# Altium PCB higgs.PcbDoc (part 7 of 25) (continued)
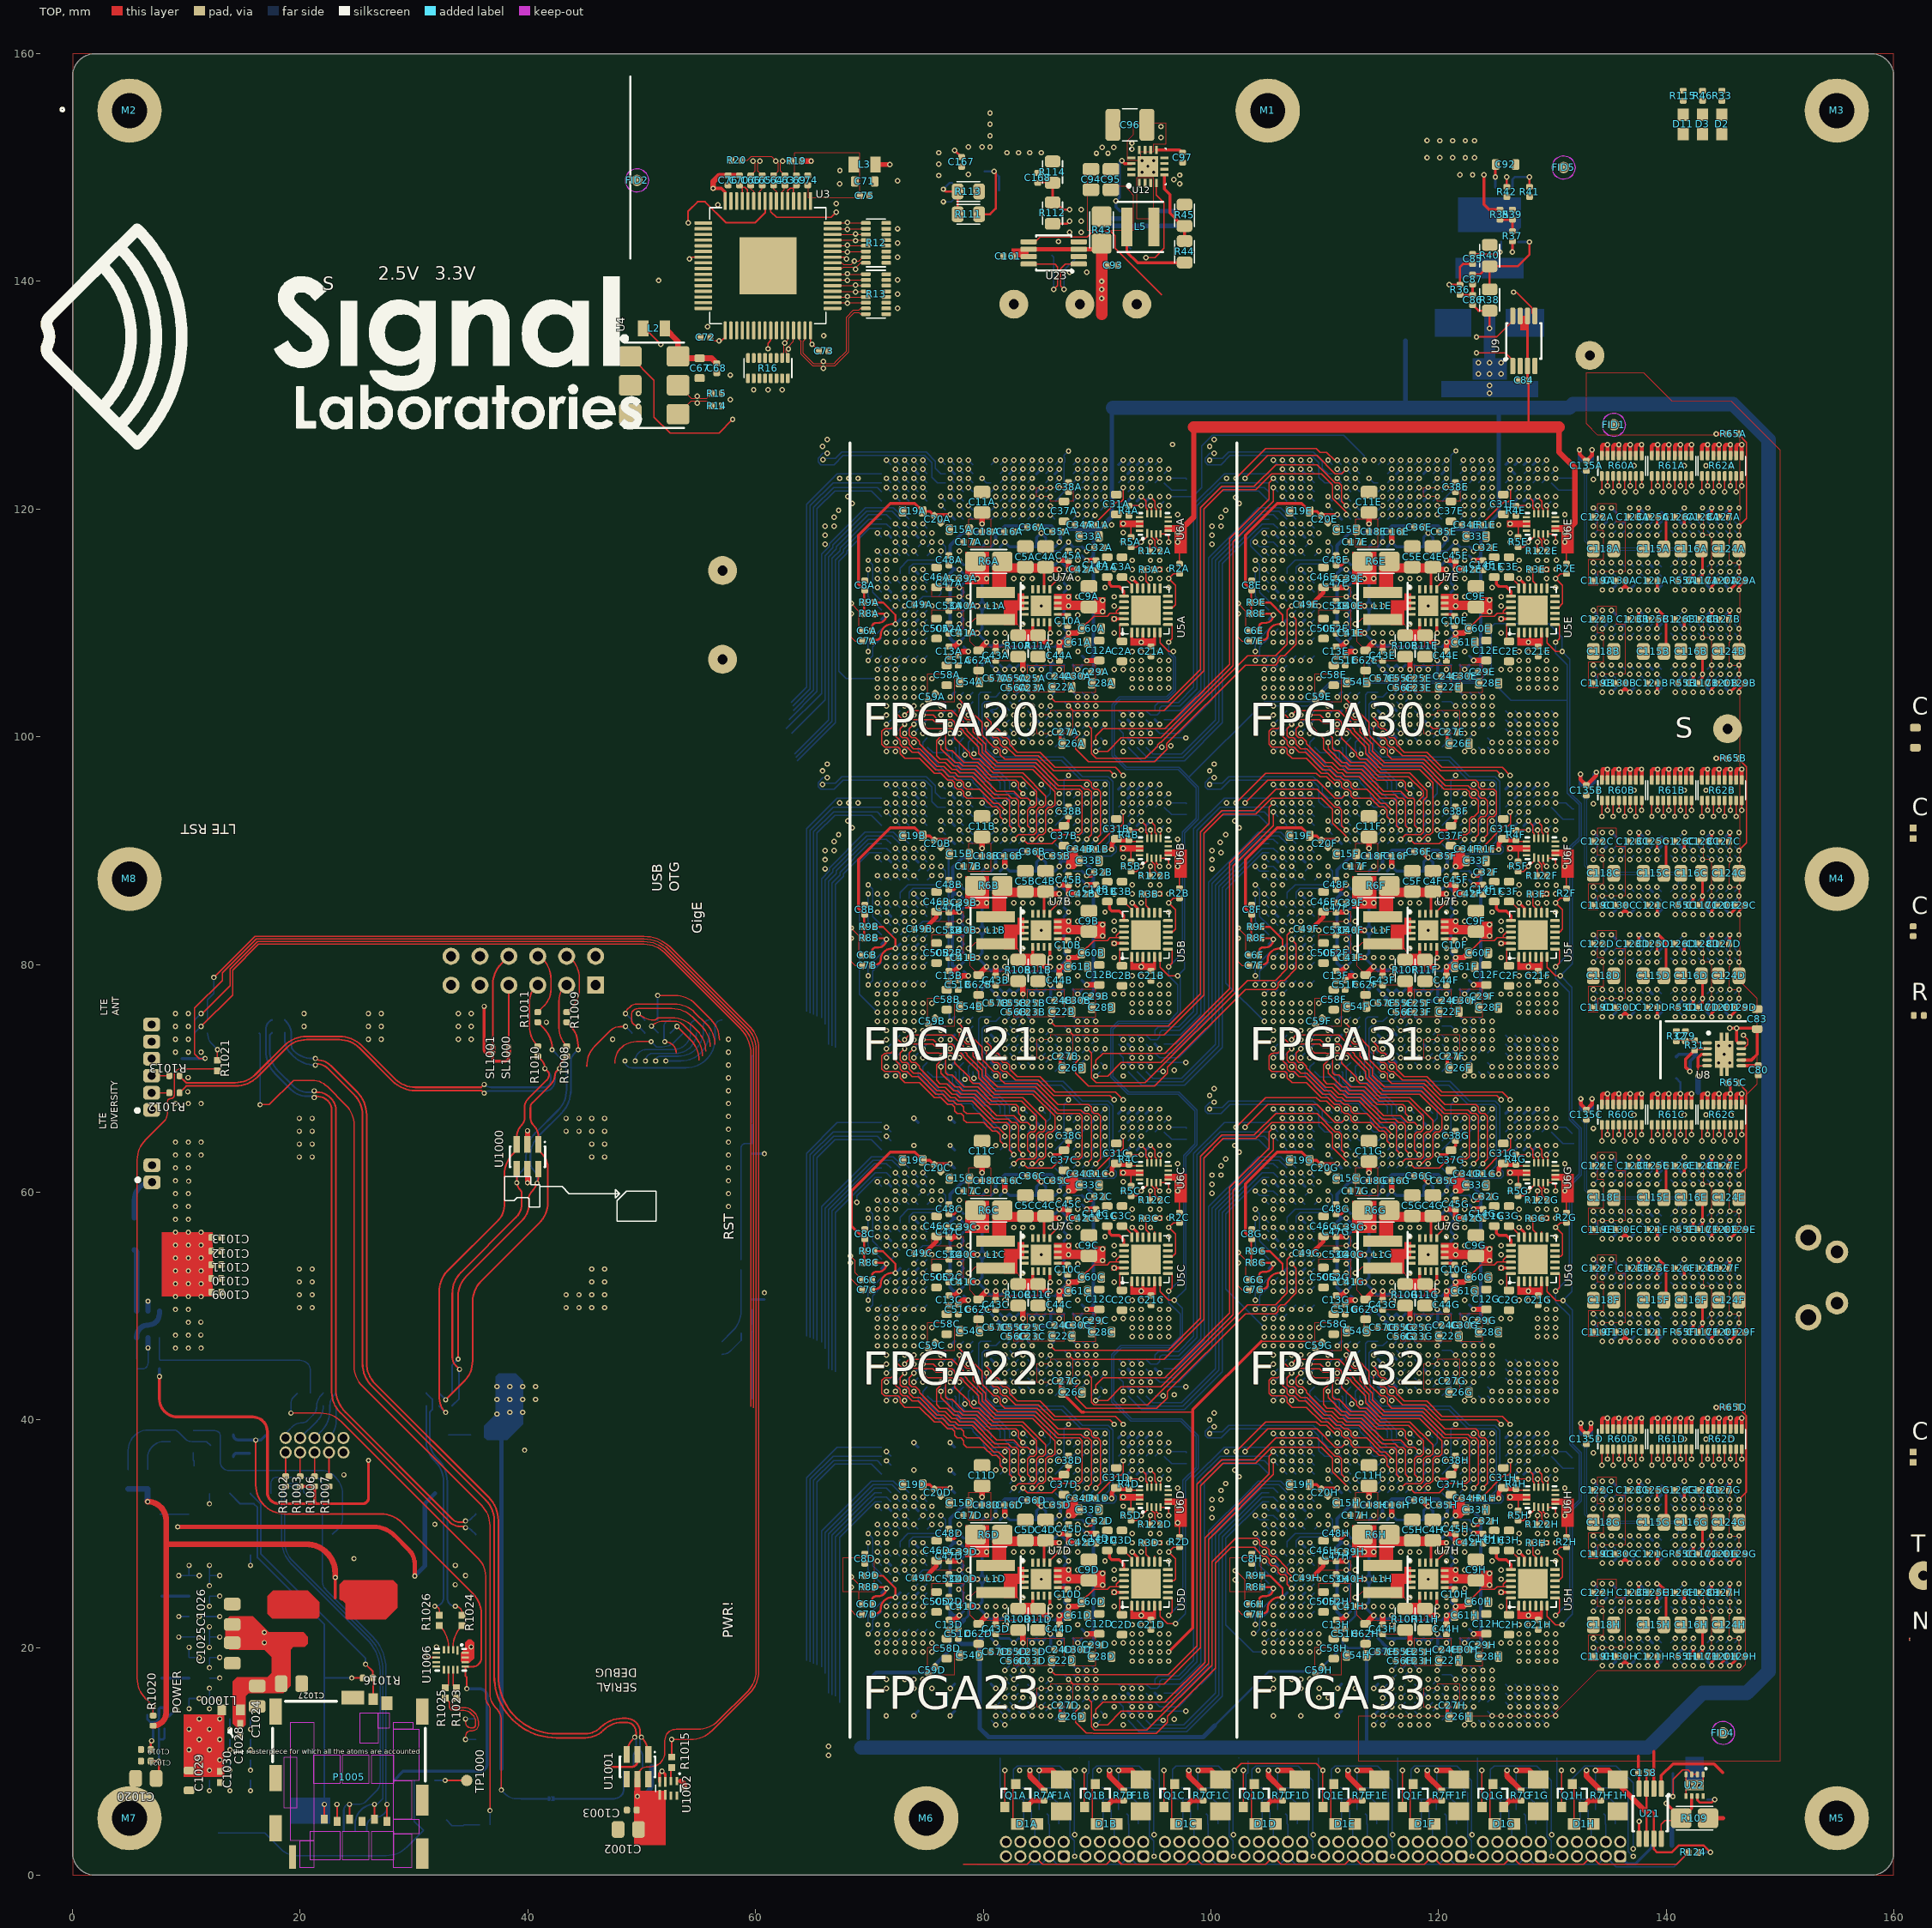
[diagram p0: TOP view]
## Nets (pads, with @x,y where several pads share a name; then routed paths per layer and width w, separated by ;. In a path a pad name is that pad's centre, name@x,y a point inside that pad or via, vN(x,y) a via of type N, cw(c..) or ccw(c..) an arc to the next point about the centre after c; other vN are vias at no path point) (continued)
  S5(V) w0.1: v1(92.3,41.7) 92.27,41.7 91.102,42.868 91.102,49.194 92.322,50.414 92.322,54.241 91.665,54.898 91.338,54.898 91.102,55.135 91.102,59.465 92.135,60.498 94.998,60.498 96.3,61.8 v1(96.3,63.3) ; v1(123.815,9.2) 126.143,6.872 135.832,6.872 138.815,9.855 138.815,9.885
  S6(H) w0.1: v1(92.3,41.7) 93.347,41.7 93.55,41.497 97.391,41.497 103.994,48.1 v1(104.7,48.1)
  BOT w0.1: v1(104.7,48.1) 101.323,51.477 101.323,58.089 104.534,61.3 U1G.A8@105.1,61.3
FPGA_LEDH: Q1H.1 U1H.A8 | length 87.1
  TOP w0.1: Q1H.1@130.8,6.01 v1(130.8,9.2)
  S4(VDDR) w0.1: 67.1,8.8 67.1,21.05 68.754,22.704 71.022,22.704 71.326,22.399 71.695,22.399 72.496,21.598 73.265,21.598 73.502,21.362 73.502,21.035 73.738,20.798 74.065,20.798 74.302,20.562 74.302,20.235 74.535,20.002 76.994,20.002 78.302,18.694 78.302,17.835 78.535,17.602 79.066,17.602 80.669,15.998 81.265,15.998 81.502,15.762 81.502,15.435 81.735,15.202 82.123,15.202 82.302,15.023 82.302,14.635 82.535,14.402 82.862,14.402 83.102,14.162 83.102,13.835 84.516,12.421 97.121,12.421 100.496,15.796 100.496,18.551 102.249,20.304 103.406,20.304 103.9,20.798 106.465,20.798 106.698,20.565 106.698,19.55 106.7,19.55 106.698,19.548 106.698,19.435 106.465,19.202 105.098,19.202 v1(104.7,19.6)
  BOT w0.1: v1(104.7,19.6) 103.723,19.6 101.323,22 101.323,29.589 104.534,32.8 U1H.A8@105.1,32.8
FPGA_PROG_N: R56.1 U15.3
FPGA_TCKA: U1A.AK5 U6A.10 | length 2.3
  TOP w0.1: v1(94.7,121.1) 95.1,120.7 95.1,120.1 95.2,120 U6A.10@95.2,119.575
  BOT w0.254: U1A.AK5@94.3,120.7 v1(94.7,121.1)
FPGA_TCKB: U1B.AK5 U6B.10 | length 2.3
  TOP w0.1: v1(94.7,92.6) 95.1,92.2 95.1,91.6 95.2,91.5 U6B.10@95.2,91.075
  BOT w0.254: U1B.AK5@94.3,92.2 v1(94.7,92.6)
FPGA_TCKC: U1C.AK5 U6C.10 | length 2.3
  TOP w0.1: v1(94.7,64.1) 95.1,63.7 95.1,63.1 95.2,63 U6C.10@95.2,62.575
  BOT w0.254: U1C.AK5@94.3,63.7 v1(94.7,64.1)
FPGA_TCKD: U1D.AK5 U6D.10 | length 2.3
  TOP w0.1: v1(94.7,35.6) 95.1,35.2 95.1,34.6 95.2,34.5 U6D.10@95.2,34.075
  BOT w0.254: U1D.AK5@94.3,35.2 v1(94.7,35.6)
FPGA_TCKE: U1E.AK5 U6E.10 | length 2.3
  TOP w0.1: v1(128.7,121.1) 129.1,120.7 129.1,120.1 129.2,120 U6E.10@129.2,119.575
  BOT w0.254: U1E.AK5@128.3,120.7 v1(128.7,121.1)
FPGA_TCKF: U1F.AK5 U6F.10 | length 2.3
  TOP w0.1: v1(128.7,92.6) 129.1,92.2 129.1,91.6 129.2,91.5 U6F.10@129.2,91.075
  BOT w0.254: U1F.AK5@128.3,92.2 v1(128.7,92.6)
FPGA_TCKG: U1G.AK5 U6G.10 | length 2.3
  TOP w0.1: v1(128.7,64.1) 129.1,63.7 129.1,63.1 129.2,63 U6G.10@129.2,62.575
  BOT w0.254: U1G.AK5@128.3,63.7 v1(128.7,64.1)
FPGA_TCKH: U1H.AK5 U6H.10 | length 2.3
  TOP w0.1: v1(128.7,35.6) 129.1,35.2 129.1,34.6 129.2,34.5 U6H.10@129.2,34.075
  BOT w0.254: U1H.AK5@128.3,35.2 v1(128.7,35.6)
FPGA_TDIA: U1A.AJ5 U6A.12 | length 2.3
  TOP w0.1: v1(93.9,121.1) 94.298,120.702 94.298,120.102 94.4,120 U6A.12@94.4,119.575
  BOT w0.254: U1A.AJ5@93.5,120.7 v1(93.9,121.1)
FPGA_TDIB: U1B.AJ5 U6B.12 | length 2.3
  TOP w0.1: v1(93.9,92.6) 94.298,92.202 94.298,91.602 94.4,91.5 U6B.12@94.4,91.075
  BOT w0.254: U1B.AJ5@93.5,92.2 v1(93.9,92.6)
FPGA_TDIC: U1C.AJ5 U6C.12 | length 2.3
  TOP w0.1: v1(93.9,64.1) 94.298,63.702 94.298,63.102 94.4,63 U6C.12@94.4,62.575
  BOT w0.254: U1C.AJ5@93.5,63.7 v1(93.9,64.1)
FPGA_TDID: U1D.AJ5 U6D.12 | length 2.3
  TOP w0.1: v1(93.9,35.6) 94.298,35.202 94.298,34.602 94.4,34.5 U6D.12@94.4,34.075
  BOT w0.254: U1D.AJ5@93.5,35.2 v1(93.9,35.6)
FPGA_TDIE: U1E.AJ5 U6E.12 | length 2.3
  TOP w0.1: v1(127.9,121.1) 128.298,120.702 128.298,120.102 128.4,120 U6E.12@128.4,119.575
  BOT w0.254: U1E.AJ5@127.5,120.7 v1(127.9,121.1)
FPGA_TDIF: U1F.AJ5 U6F.12 | length 2.3
  TOP w0.1: v1(127.9,92.6) 128.298,92.202 128.298,91.602 128.4,91.5 U6F.12@128.4,91.075
  BOT w0.254: U1F.AJ5@127.5,92.2 v1(127.9,92.6)
FPGA_TDIG: U1G.AJ5 U6G.12 | length 2.3
  TOP w0.1: v1(127.9,64.1) 128.298,63.702 128.298,63.102 128.4,63 U6G.12@128.4,62.575
  BOT w0.254: U1G.AJ5@127.5,63.7 v1(127.9,64.1)
FPGA_TDIH: U1H.AJ5 U6H.12 | length 2.3
  TOP w0.1: v1(127.9,35.6) 128.298,35.202 128.298,34.602 128.4,34.5 U6H.12@128.4,34.075
  BOT w0.254: U1H.AJ5@127.5,35.2 v1(127.9,35.6)
FPGA_TDOA: R4A.1 U1A.AG5 U6A.11 | length 4.8
  TOP w0.1: R4A.1@92.8,120.3 v1(93.9,120.3) ; v1(94.7,120.3) 94.8,120.2 U6A.11@94.8,119.575
  BOT w0.1: U1A.AG5@91.9,120.7 92.3,120.3 v1(93.9,120.3) v1(94.7,120.3)
FPGA_TDOB: R4B.1 U1B.AG5 U6B.11 | length 4.8
  TOP w0.1: R4B.1@92.8,91.8 v1(93.9,91.8) ; v1(94.7,91.8) 94.8,91.7 U6B.11@94.8,91.075
  BOT w0.1: U1B.AG5@91.9,92.2 92.3,91.8 v1(93.9,91.8) v1(94.7,91.8)
FPGA_TDOC: R4C.1 U1C.AG5 U6C.11 | length 4.8
  TOP w0.1: R4C.1@92.8,63.3 v1(93.9,63.3) ; v1(94.7,63.3) 94.8,63.2 U6C.11@94.8,62.575
  BOT w0.1: U1C.AG5@91.9,63.7 92.3,63.3 v1(93.9,63.3) v1(94.7,63.3)
FPGA_TDOD: R4D.1 U1D.AG5 U6D.11 | length 4.8
  TOP w0.1: R4D.1@92.8,34.8 v1(93.9,34.8) ; v1(94.7,34.8) 94.8,34.7 U6D.11@94.8,34.075
  BOT w0.1: U1D.AG5@91.9,35.2 92.3,34.8 v1(93.9,34.8) v1(94.7,34.8)
FPGA_TDOE: R4E.1 U1E.AG5 U6E.11 | length 4.8
  TOP w0.1: R4E.1@126.8,120.3 v1(127.9,120.3) ; v1(128.7,120.3) 128.8,120.2 U6E.11@128.8,119.575
  BOT w0.1: U1E.AG5@125.9,120.7 126.3,120.3 v1(127.9,120.3) v1(128.7,120.3)
FPGA_TDOF: R4F.1 U1F.AG5 U6F.11 | length 4.8
  TOP w0.1: R4F.1@126.8,91.8 v1(127.9,91.8) ; v1(128.7,91.8) 128.8,91.7 U6F.11@128.8,91.075
  BOT w0.1: U1F.AG5@125.9,92.2 126.3,91.8 v1(127.9,91.8) v1(128.7,91.8)
FPGA_TDOG: R4G.1 U1G.AG5 U6G.11 | length 4.8
  TOP w0.1: R4G.1@126.8,63.3 v1(127.9,63.3) ; v1(128.7,63.3) 128.8,63.2 U6G.11@128.8,62.575
  BOT w0.1: U1G.AG5@125.9,63.7 126.3,63.3 v1(127.9,63.3) v1(128.7,63.3)
FPGA_TDOH: R4H.1 U1H.AG5 U6H.11 | length 4.8
  TOP w0.1: R4H.1@126.8,34.8 v1(127.9,34.8) ; v1(128.7,34.8) 128.8,34.7 U6H.11@128.8,34.075
  BOT w0.1: U1H.AG5@125.9,35.2 126.3,34.8 v1(127.9,34.8) v1(128.7,34.8)
FPGA_TMSA: U1A.AM5 U6A.9 | length 1.3
  TOP w0.1: v1(95.5,120.3) 95.6,120.2 U6A.9@95.6,119.575
  BOT w0.1: v1(95.5,120.3) U1A.AM5@95.9,120.7
FPGA_TMSB: U1B.AM5 U6B.9 | length 1.3
  TOP w0.1: v1(95.5,91.8) 95.6,91.7 U6B.9@95.6,91.075
  BOT w0.1: v1(95.5,91.8) U1B.AM5@95.9,92.2
FPGA_TMSC: U1C.AM5 U6C.9 | length 1.3
  TOP w0.1: v1(95.5,63.3) 95.6,63.2 U6C.9@95.6,62.575
  BOT w0.1: v1(95.5,63.3) U1C.AM5@95.9,63.7
FPGA_TMSD: U1D.AM5 U6D.9 | length 1.3
  TOP w0.1: v1(95.5,34.8) 95.6,34.7 U6D.9@95.6,34.075
  BOT w0.1: v1(95.5,34.8) U1D.AM5@95.9,35.2
FPGA_TMSE: U1E.AM5 U6E.9 | length 1.3
  TOP w0.1: v1(129.5,120.3) 129.6,120.2 U6E.9@129.6,119.575
  BOT w0.1: v1(129.5,120.3) U1E.AM5@129.9,120.7
FPGA_TMSF: U1F.AM5 U6F.9 | length 1.3
  TOP w0.1: v1(129.5,91.8) 129.6,91.7 U6F.9@129.6,91.075
  BOT w0.1: v1(129.5,91.8) U1F.AM5@129.9,92.2
FPGA_TMSG: U1G.AM5 U6G.9 | length 1.3
  TOP w0.1: v1(129.5,63.3) 129.6,63.2 U6G.9@129.6,62.575
  BOT w0.1: v1(129.5,63.3) U1G.AM5@129.9,63.7
FPGA_TMSH: U1H.AM5 U6H.9 | length 1.3
  TOP w0.1: v1(129.5,34.8) 129.6,34.7 U6H.9@129.6,34.075
  BOT w0.1: v1(129.5,34.8) U1H.AM5@129.9,35.2
FPGAB_TCKA: R29A.1 U6A.3 | length 158.7
  TOP w0.1: U6A.3@95.2,117.825 95.2,117.43 v1@95.5,117.13
  S5(V) w0.1: 65.203,14.664 65.203,22.52 66.522,23.839 68.035,23.839 68.72,24.524 68.721,24.524 69.184,24.986 69.184,26.514 68.721,26.976 68.646,26.976 67.986,27.636 66.647,27.636 64.586,29.697 64.586,51.003 65.672,52.089 68.497,52.089 69.736,53.328 69.736,54.722 68.597,55.861 65.797,55.861 65.136,56.522 65.136,77.628 69.898,82.39 69.898,83.686 69.073,84.511 68.372,84.511 65.236,87.647 65.236,97.578 65.953,98.295 65.953,106.969 69.478,110.494 69.478,114.178 69.602,114.302 70.065,114.302 70.298,114.535 70.298,114.862 70.537,115.1 93.53,115.1 95.5,117.07 v1(95.5,117.1)
  BOT w0.095: R29A.1@82.56,7.7 82.66,7.8 82.66,9.27 82.986,9.596 86.709,9.596 87.99,8.315 v4@87.99,3.7
  other v4: 88.033,3.555
FPGAB_TCKB: R29B.1 U6B.3 | length 118.3
  TOP w0.1: U6B.3@95.2,89.325 95.2,88.93 v1@95.5,88.63
  S5(V) w0.1: 66.003,14.395 66.003,22.12 66.94,23.057 68.321,23.057 69.033,23.768 69.034,23.768 69.968,24.702 69.968,26.798 69.034,27.732 68.959,27.732 68.287,28.404 67.229,28.404 65.364,30.269 65.364,36.731 67.561,38.928 67.561,41.072 65.611,43.022 65.611,50.778 66.122,51.289 68.847,51.289 70.511,52.953 70.511,55.086 71.125,55.7 78.041,55.7 78.279,55.938 78.279,56.789 78.639,57.149 78.651,57.149 80.363,58.861 84.413,58.861 86.788,61.236 89.861,61.236 91.2,62.575 94.752,62.575 95.102,62.925 95.102,88.202 v1(95.5,88.6)
  BOT w0.095: R29B.1@89.545,7.7 89.645,7.8 89.645,9.27 89.971,9.596 93.694,9.596 94.975,8.315 v4@94.975,3.7
  other v4: 95.018,3.555
FPGAB_TCKC: R29C.1 U6C.3 | length 86.4
  TOP w0.1: U6C.3@95.2,60.825 95.2,60.43 v1@95.5,60.13
  S5(V) w0.1: 64.775,11.325 64.775,11.825 65.575,12.625 66.291,12.625 66.767,13.102 66.767,20.435 69.346,23.013 69.347,23.013 70.724,24.389 70.724,26.949 71.102,27.327 71.102,30.965 71.335,31.198 78.065,31.198 78.088,31.175 86.512,31.175 86.535,31.198 90.535,31.198 92.135,32.798 92.462,32.798 92.698,33.035 92.698,33.347 93.502,34.15 93.502,57.065 93.687,57.25 93.687,58.257 94.487,59.057 94.487,59.087 95.1,59.7 ; 95.102,59.702 v1(95.5,60.1)
  BOT w0.095: R29C.1@96.53,7.7 96.63,7.8 96.63,9.27 96.956,9.596 100.679,9.596 101.96,8.315 v4@101.96,3.7
  other v4: 102.003,3.555
FPGAB_TCKD: R29D.1 U6D.3 | length 61.3
  TOP w0.1: U6D.3@95.2,32.325 95.2,31.93 v1@95.5,31.63
  S4(VDDR) w0.1: 64.65,8.675 66.023,10.048 66.023,10.923 v1(66.425,11.325)
  S5(V) w0.1: v1(66.425,11.325) 66.425,11.675 67.528,12.778 67.528,19.928 69.202,21.602 73.265,21.602 74.298,22.635 74.298,23.456 74.304,23.461 74.304,23.816 74.298,23.822 74.298,25.056 74.304,25.061 74.304,25.391 74.298,25.397 74.298,27.762 74.535,27.998 91.335,27.998 92.935,29.598 93.498,29.598 v1(95.5,31.6)
  BOT w0.095: R29D.1@103.515,7.7 103.615,7.8 103.615,9.27 103.941,9.596 107.664,9.596 108.945,8.315 v4@108.945,3.7
  other v4: 108.988,3.555
FPGAB_TCKE: R29E.1 U6E.3 | length 167.4
  TOP w0.1: U6E.3@129.2,117.825 129.2,117.43 v1@129.5,117.13
  S5(V) w0.1: 94.3,9.708 98.599,14.007 98.599,21.607 102.163,25.171 102.488,25.171 102.935,25.617 102.935,27.092 101.416,28.61 99.567,28.61 97.884,30.293 ; 97.884,30.323 97.884,41.198 98.66,41.975 98.66,44.225 97.735,45.15 97.735,50.525 99.725,52.515 102.274,52.515 103.653,53.894 103.653,55.032 102.757,55.928 101.108,55.928 98.703,58.333 98.703,66.433 98.435,66.7 98.435,69.501 98.878,69.943 98.878,72.222 98.511,72.589 98.511,77.14 103.711,82.34 103.711,83.439 102.239,84.911 101.022,84.911 99.311,86.622 99.311,93.778 101.611,96.078 101.611,98.474 99.711,100.375 99.711,106.878 104.735,111.902 106.465,111.902 106.698,112.135 106.698,112.531 106.868,112.701 107.264,112.701 107.497,112.934 107.497,113.261 107.738,113.502 108.065,113.502 108.298,113.735 108.298,114.062 108.538,114.302 108.8,114.302 108.803,114.298 128.498,114.298 129.1,114.9 129.1,116.7 v1(129.5,117.1)
  BOT w0.095: R29E.1@110.5,7.7 110.6,7.8 110.6,9.27 110.926,9.596 114.649,9.596 115.93,8.315 v4@115.93,3.7
  other v4: 115.973,3.555
FPGAB_TCKF: R29F.1 U6F.3 | length 125.1
  TOP w0.1: U6F.3@129.2,89.325 129.2,88.93 v1@129.5,88.63
  S5(V) w0.1: 98.651,30.65 98.654,30.647 ; 99.369,13.688 99.369,21.288 102.482,24.4 102.808,24.4 103.706,25.298 103.706,27.411 101.736,29.381 100.325,29.381 100.32,29.386 99.89,29.386 98.654,30.622 98.654,30.647 ; v1(129.5,88.6) 128.3,87.4 111.263,87.4 108.862,84.998 108.535,84.998 108.298,84.762 108.298,84.435 108.062,84.198 107.735,84.198 107.498,83.962 107.498,83.635 107.262,83.398 106.935,83.398 106.698,83.162 106.698,82.835 106.465,82.602 105.15,82.602 99.282,76.734 99.282,72.908 99.648,72.542 99.648,69.624 99.206,69.182 99.206,67.02 99.473,66.752 99.473,58.652 101.427,56.698 103.076,56.698 104.423,55.351 104.423,53.574 102.593,51.744 100.045,51.744 98.506,50.205 98.506,45.47 99.431,44.545 99.431,41.655 98.654,40.879 98.654,30.65 98.654,30.647
  BOT w0.095: R29F.1@117.485,7.7 117.585,7.8 117.585,9.27 117.911,9.596 121.634,9.596 122.915,8.315 v4@122.915,3.7
  other v4: 122.958,3.555
FPGAB_TCKG: R29G.1 U6G.3 | length 94
  TOP w0.1: U6G.3@129.2,60.825 129.2,60.43 v1@129.5,60.13
  S5(V) w0.1: 100.14,13.369 100.14,20.968 102.801,23.63 103.13,23.63 104.474,24.974 104.474,26.174 104.475,26.175 ; 104.47,26.15 104.47,26.995 104.677,27.202 104.865,27.202 105.098,27.435 105.098,27.765 104.865,27.998 104.244,27.998 102.087,30.156 100.25,30.156 99.456,30.95 99.456,36.556 101.481,38.581 101.481,43.894 99.556,45.819 99.556,49.781 100.544,50.769 102.694,50.769 105.125,53.2 105.563,53.2 106.698,54.335 106.698,58.65 106.95,58.902 128.302,58.902 v1(129.5,60.1)
  BOT w0.095: R29G.1@124.47,7.7 124.57,7.8 124.57,9.27 124.896,9.596 128.619,9.596 129.9,8.315 v4@129.9,3.7
  other v4: 129.943,3.555
FPGAB_TCKH: R29H.1 U6H.3 | length 55.5
  TOP w0.1: U6H.3@129.2,32.325 129.2,31.93 v1@129.5,31.63
  S5(V) w0.1: 100.947,13.034 100.947,20.634 103.137,22.824 103.406,22.824 103.571,22.988 103.705,22.988 105.017,24.3 105.625,24.3 106.69,25.365 106.702,25.365 106.935,25.598 107.468,25.598 108.268,26.398 112.538,26.398 113.335,25.602 123.038,25.602 124.335,26.898 124.562,26.898 126.702,29.038 126.702,29.365 126.935,29.598 127.468,29.598 129.47,31.6 v1(129.5,31.6)
  BOT w0.095: R29H.1@131.455,7.7 131.555,7.8 131.555,8.31 132.841,9.596 135.604,9.596 137.1,8.1 v1(137.1,2.3)
FPGAB_TMSA: R30A.1 U6A.4 | length 153.4
  TOP w0.1: U6A.4@95.6,117.825 96.075,117.825 96.3,117.6 v1(96.3,117.1)
  S5(V) w0.1: 65.392,14.585 65.392,22.442 66.6,23.65 68.113,23.65 68.798,24.335 68.8,24.335 69.373,24.908 69.373,26.592 68.8,27.165 68.724,27.165 68.064,27.825 66.725,27.825 64.775,29.775 64.775,50.925 65.75,51.9 68.575,51.9 69.925,53.25 69.925,54.8 68.675,56.05 65.875,56.05 65.375,56.55 65.375,77.6 70.087,82.312 70.087,83.764 69.151,84.7 68.45,84.7 65.425,87.725 65.425,97.5 66.142,98.217 66.142,106.89 70.302,111.05 70.302,114.065 70.538,114.302 94.065,114.302 95.098,115.335 95.098,115.898 v1(96.3,117.1)
  BOT w0.095: R30A.1@87.2,7.65 87.637,7.213 87.637,3.391 87.99,3.038 v1@87.99,1.8
  other v1: 88.033,1.65
FPGAB_TMSB: R30B.1 U6B.4 | length 113.6
  TOP w0.1: U6B.4@95.6,89.325 96.075,89.325 96.3,89.1 v1(96.3,88.6)
  S5(V) w0.1: 66.192,14.317 66.192,22.042 67.018,22.868 68.399,22.868 69.111,23.579 69.113,23.579 70.157,24.624 70.157,26.876 69.113,27.921 69.037,27.921 68.365,28.593 67.307,28.593 65.553,30.347 65.553,36.653 67.75,38.85 67.75,41.15 65.8,43.1 65.8,50.7 66.2,51.1 68.925,51.1 70.7,52.875 70.7,54.4 71.2,54.9 72.133,54.9 72.135,54.898 77.915,54.898 ; 77.942,54.901 78.065,54.901 78.302,55.138 78.302,55.465 78.525,55.688 78.525,56.725 80.45,58.65 84.5,58.65 86.875,61.025 89.917,61.025 91.242,62.35 95.475,62.35 95.9,62.775 95.9,70.137 96.198,70.435 96.198,70.765 95.902,71.062 95.902,88.202 v1(96.3,88.6)
  BOT w0.095: R30B.1@94.185,7.65 94.622,7.213 94.622,3.391 94.975,3.038 v1@94.975,1.8
  other v1: 95.018,1.65
FPGAB_TMSC: R30C.1 U6C.4 | length 81.7
  TOP w0.1: U6C.4@95.6,60.825 96.075,60.825 96.3,60.6 v1(96.3,60.1)
  S5(V) w0.1: 64.8,10.55 65.198,10.948 65.198,11.798 65.825,12.425 66.358,12.425 66.956,13.023 66.956,20.356 69.424,22.824 69.426,22.824 70.913,24.311 70.913,26.776 71.335,27.198 71.662,27.198 71.898,27.435 71.898,30.162 72.135,30.398 90.535,30.398 92.135,31.998 92.462,31.998 94.298,33.835 94.298,38.965 94.298,57.673 94.727,58.102 94.865,58.102 95.102,58.338 95.102,58.665 95.335,58.898 95.523,58.898 96.325,59.7 v1@96.325,60.075 ; v1@96.3,60.075 v1(96.3,60.1)
  BOT w0.095: R30C.1@101.17,7.65 101.607,7.213 101.607,3.391 101.96,3.038 v1@101.96,1.8
  other v1: 102.003,1.65
FPGAB_TMSD: R30D.1 U6D.4 | length 55.2
  TOP w0.1: U6D.4@95.6,32.325 96.075,32.325 96.3,32.1 v1(96.3,31.6)
  S4(VDDR) w0.1: 65.9,9.475 66.425,10 v1(66.425,10.525)
  S5(V) w0.1: v1(66.425,10.525) 66.975,11.075 66.975,11.45 ; 66.975,11.475 66.975,11.95 67.717,12.692 67.717,18.867 69.652,20.802 74.865,20.802 75.098,21.035 75.098,23.431 75.104,23.436 75.104,23.766 75.098,23.772 75.098,25.031 75.104,25.036 75.104,25.366 75.098,25.372 75.098,26.798 75.5,27.2 91.337,27.2 92.935,28.798 94.062,28.798 95.098,29.835 95.098,30.398 v1(96.3,31.6)
  BOT w0.095: R30D.1@108.155,7.65 108.592,7.213 108.592,3.391 108.945,3.038 v1@108.945,1.8
  other v1: 108.988,1.65
FPGAB_TMSE: R30E.1 U6E.4 | length 163.2
  TOP w0.1: U6E.4@129.6,117.825 130.075,117.825 130.3,117.6 v1(130.3,117.1)
  S5(V) w0.1: 94.382,9.523 98.788,13.929 98.788,21.528 102.241,24.982 102.567,24.982 103.124,25.539 103.124,27.17 101.495,28.799 99.662,28.799 98.084,30.377 98.084,30.388 98.073,30.4 ; 98.073,30.401 98.073,41.12 98.849,41.896 98.849,44.304 97.924,45.229 97.924,50.446 99.804,52.326 102.352,52.326 103.842,53.815 103.842,55.11 102.835,56.117 101.186,56.117 98.892,58.411 98.892,66.511 98.624,66.779 98.624,69.423 99.067,69.865 99.067,72.301 98.7,72.667 98.7,77.062 103.9,82.262 103.9,83.517 102.317,85.1 101.1,85.1 99.5,86.7 99.5,93.7 101.8,96 101.8,98.552 99.9,100.453 99.9,106.8 104.2,111.1 106.463,111.1 106.702,111.338 106.702,111.665 106.935,111.898 107.262,111.898 107.502,112.138 107.502,112.465 107.735,112.698 108.062,112.698 108.302,112.938 108.302,113.265 108.535,113.498 129.662,113.498 129.898,113.735 129.898,116.698 v1(130.3,117.1)
  BOT w0.095: R30E.1@115.14,7.65 115.577,7.213 115.577,3.391 115.93,3.038 v1@115.93,1.8
  other v1: 115.973,1.65
FPGAB_TMSF: R30F.1 U6F.4 | length 119.9
  TOP w0.1: U6F.4@129.6,89.325 130.075,89.325 130.3,89.1 v1(130.3,88.6)
  S5(V) w0.1: 98.843,30.7 99.968,29.575 101.816,29.575 103.9,27.491 103.9,25.218 102.89,24.208 102.561,24.208 99.561,21.208 99.561,13.608 ; 98.843,30.72 98.843,40.793 99.318,41.268 99.625,41.575 99.625,44.625 98.7,45.55 98.7,50.125 100.125,51.55 102.674,51.55 104.617,53.494 104.617,55.431 103.156,56.892 101.508,56.892 99.675,58.725 99.675,66.825 99.4,67.1 99.4,69.101 99.842,69.544 99.842,72.622 99.842,76.942 104.7,81.8 106.4,81.8 106.702,82.102 106.702,82.365 106.935,82.598 107.262,82.598 108.298,83.635 108.298,83.698 108.802,84.202 108.865,84.202 109.098,84.435 109.098,84.762 110.135,85.798 110.935,85.798 111.735,86.598 128.862,86.598 129.098,86.835 129.098,87.398 v1(130.3,88.6)
  BOT w0.095: R30F.1@122.125,7.65 122.562,7.213 122.562,3.391 122.915,3.038 v1@122.915,1.8
  other v1: 122.958,1.65
FPGAB_TMSG: R30G.1 U6G.4 | length 90
  TOP w0.1: U6G.4@129.6,60.825 130.075,60.825 130.3,60.6 v1(130.3,60.1)
  S5(V) w0.1: 100.352,13.281 100.352,20.881 102.889,23.418 103.199,23.418 103.336,23.555 103.355,23.555 104.675,24.875 104.675,24.945 104.675,25.455 104.675,26.175 104.675,26.538 105.338,27.202 105.665,27.202 105.898,27.435 105.898,27.765 105.665,27.998 105.338,27.998 105.098,28.238 105.098,28.565 104.865,28.798 103.711,28.798 102.16,30.35 100.325,30.35 99.65,31.025 99.65,36.475 101.675,38.5 101.675,43.975 99.75,45.9 99.75,49.7 100.625,50.575 102.775,50.575 105.1,52.9 105.737,52.9 106.935,54.098 107.273,54.098 107.5,54.325 107.5,57.9 107.7,58.1 128.863,58.1 129.098,58.335 129.098,58.898 v1(130.3,60.1)
  BOT w0.095: R30G.1@129.11,7.65 129.547,7.213 129.547,3.391 129.9,3.038 v1@129.9,1.8
  other v1: 129.943,1.65
FPGAB_TMSH: R30H.1 U6H.4 | length 50.7
  TOP w0.1: U6H.4@129.6,32.325 130.075,32.325 130.3,32.1 v1(130.3,31.6)
  S5(V) w0.1: 101.15,12.95 101.15,20.55 103.235,22.635 103.485,22.635 103.649,22.799 103.98,22.799 105.179,23.998 106.462,23.998 106.702,24.238 106.702,24.565 106.935,24.798 107.262,24.798 107.502,25.038 107.502,25.365 107.736,25.6 109.93,25.6 110.803,24.727 112.463,24.727 112.535,24.798 112.865,24.798 112.913,24.75 117.287,24.75 117.335,24.798 117.665,24.798 117.713,24.75 120.487,24.75 120.535,24.798 120.865,24.798 120.913,24.75 123.187,24.75 124.335,25.898 124.462,25.898 125.102,26.538 125.102,26.965 126.935,28.798 127.262,28.798 128.302,29.838 128.302,30.165 128.535,30.398 129.098,30.398 v1(130.3,31.6)
  BOT w0.095: R30H.1@136.095,7.65 136.663,7.082 136.663,2.087 v1(137.1,1.65)
FPGAI_TCKA: J5A.6 R124A.1 U27A.3 | length 2.9
  BOT w0.1: U27A.3@84.255,5.75 84.255,4.695 R124A.1@84.45,4.5 84.54,4.41 J5A.6@84.54,2.92
FPGAI_TCKB: J5B.6 R124B.1 U27B.3 | length 2.9
  BOT w0.1: U27B.3@91.24,5.75 91.24,4.695 R124B.1@91.435,4.5 91.525,4.41 J5B.6@91.525,2.92
FPGAI_TCKC: J5C.6 R124C.1 U27C.3 | length 2.9
  BOT w0.1: U27C.3@98.225,5.75 98.225,4.695 R124C.1@98.42,4.5 98.51,4.41 J5C.6@98.51,2.92
FPGAI_TCKD: J5D.6 R124D.1 U27D.3 | length 2.9
  BOT w0.1: U27D.3@105.21,5.75 105.21,4.695 R124D.1@105.405,4.5 105.495,4.41 J5D.6@105.495,2.92
FPGAI_TCKE: J5E.6 R124E.1 U27E.3 | length 2.9
  BOT w0.1: U27E.3@112.195,5.75 112.195,4.695 R124E.1@112.39,4.5 112.48,4.41 J5E.6@112.48,2.92
FPGAI_TCKF: J5F.6 R124F.1 U27F.3 | length 2.9
  BOT w0.1: U27F.3@119.18,5.75 119.18,4.695 R124F.1@119.375,4.5 119.465,4.41 J5F.6@119.465,2.92
FPGAI_TCKG: J5G.6 R124G.1 U27G.3 | length 2.9
  BOT w0.1: U27G.3@126.165,5.75 126.165,4.695 R124G.1@126.36,4.5 126.45,4.41 J5G.6@126.45,2.92
FPGAI_TCKH: J5H.6 R124H.1 U27H.3 | length 2.9
  BOT w0.1: U27H.3@133.15,5.75 133.15,4.695 R124H.1@133.345,4.5 133.435,4.41 J5H.6@133.435,2.92
FPGAI_TDIA: J5A.10 R5A.1 U6A.1 | length 147.2
  TOP w0.1: R5A.1@93,116.655 93.455,116.655 v1(93.9,117.1) ; v1@93.955,117.1 v1(93.9,117.1) ; U6A.1@94.4,117.875 94.4,117.6 v1(93.9,117.1)
  S5(V) w0.1: 64.825,14.82 64.825,22.676 66.365,24.217 67.878,24.217 68.563,24.902 68.565,24.902 68.806,25.143 68.806,26.357 68.565,26.598 68.49,26.598 67.83,27.258 66.49,27.258 64.208,29.54 64.208,51.16 65.515,52.467 68.34,52.467 69.358,53.485 69.358,54.565 68.44,55.483 65.64,55.483 64.758,56.365 64.758,77.785 69.52,82.547 69.52,83.53 68.917,84.133 68.215,84.133 64.858,87.49 64.858,97.735 65.575,98.451 65.575,107.125 69.1,110.65 69.1,115.875 69.925,116.7 93.5,116.7 v1(93.9,117.1)
FPGAI_TDIB: J5B.10 R5B.1 U6B.1 | length 106.3
  TOP w0.1: R5B.1@93,88.155 93.455,88.155 v1(93.9,88.6) ; v1@93.955,88.6 v1(93.9,88.6) ; U6B.1@94.4,89.375 94.4,89.1 v1(93.9,88.6)
  S5(V) w0.1: 65.614,14.54 65.614,22.281 66.779,23.446 68.176,23.446 68.876,24.146 68.878,24.146 69.579,24.848 69.579,26.652 68.878,27.354 68.803,27.354 68.142,28.015 67.068,28.015 64.975,30.108 64.975,36.892 67.172,39.089 67.172,40.911 65.222,42.861 65.222,50.939 65.961,51.678 68.686,51.678 70.122,53.114 70.122,54.953 69.875,55.2 69.875,56.8 70.375,57.3 78.233,57.3 80.192,59.26 80.308,59.26 80.317,59.25 84.251,59.25 86.626,61.625 89.716,61.625 91.166,63.075 92.657,63.075 93.502,63.92 93.502,88.202 v1(93.9,88.6)
FPGAI_TDIC: J5C.10 R5C.1 U6C.1 | length 77
  TOP w0.1: R5C.1@93,59.655 93.455,59.655 v1(93.9,60.1) ; v1@93.955,60.1 v1(93.9,60.1) ; U6C.1@94.4,60.875 94.4,60.6 v1(93.9,60.1)
  S5(V) w0.1: 65.228,13.003 66.134,13.003 66.39,13.258 66.39,20.591 69.189,23.391 69.191,23.391 70.346,24.546 70.346,26.954 69.191,28.11 68.625,28.675 68.625,31.5 69.925,32.8 90.15,32.8 91.9,34.55 91.9,38.963 92.135,39.198 92.668,39.198 93.124,39.654 93.124,41.646 92.668,42.102 92.135,42.102 91.902,42.335 91.902,42.648 91.9,42.65 91.9,49.725 92.511,50.336 92.511,54.75 91.9,55.361 91.9,58.1 93.5,59.7 ; 93.502,59.702 v1(93.9,60.1)
FPGAI_TDID: J5D.10 R5D.1 U6D.1 | length 47.3
  TOP w0.1: R5D.1@93,31.155 93.455,31.155 v1(93.9,31.6) ; v1@93.955,31.6 v1(93.9,31.6) ; U6D.1@94.4,32.375 94.4,32.1 v1(93.9,31.6)
  S4(VDDR) w0.1: 65.15,10.2 65.227,10.277 65.227,10.69 65.625,11.088 65.625,11.325
  S5(V) w0.1: 65.625,11.325 65.625,11.736 66.089,12.2 66.4,12.2 67.15,12.95 67.15,20.283 69.502,22.635 69.504,22.635 71.102,24.233 71.102,25.95 71.553,26.402 72.465,26.402 72.698,26.635 72.698,29.398 72.902,29.602 91.665,29.602 93.663,31.6 v1(93.9,31.6)
FPGAI_TDIE: J5E.10 R5E.1 U6E.1 | length 148.4
  TOP w0.1: R5E.1@127,116.655 127.455,116.655 v1(127.9,117.1) ; v1@127.955,117.1 v1(127.9,117.1) ; U6E.1@128.4,117.875 128.4,117.6 v1(127.9,117.1)
  S5(V) w0.1: 97.695,30.215 99.488,28.421 101.338,28.421 102.746,27.013 102.746,25.695 102.41,25.359 102.085,25.359 98.41,21.685 98.41,14.085 ; 97.695,30.244 97.695,41.276 98.471,42.053 98.471,44.147 97.546,45.072 97.546,50.603 99.647,52.704 102.196,52.704 103.464,53.972 103.464,54.953 102.678,55.739 101.03,55.739 98.514,58.255 98.514,66.355 98.246,66.622 98.246,69.579 98.689,70.022 98.689,72.144 98.322,72.511 98.322,77.219 103.522,82.419 103.522,83.361 102.161,84.722 100.944,84.722 99.122,86.544 99.122,93.857 101.422,96.156 101.422,98.396 99.522,100.296 99.522,106.956 105.264,112.698 106.135,112.698 106.934,113.497 107.297,113.497 107.5,113.7 107.502,113.702 107.502,114.065 107.735,114.298 108.062,114.298 108.302,114.538 108.302,114.865 108.538,115.102 127.265,115.102 127.498,115.335 127.498,116.698 v1(127.9,117.1)
FPGAI_TDIF: J5F.10 R5F.1 U6F.1 | length 113.4
  TOP w0.1: R5F.1@127,88.155 127.455,88.155 v1(127.9,88.6) ; v1@127.955,88.6 v1(127.9,88.6) ; U6F.1@128.4,89.375 128.4,89.1 v1(127.9,88.6)
  S5(V) w0.1: 98.273,30.475 98.273,30.455 99.728,29 100.325,29 101.578,29 103.325,27.253 103.325,25.456 102.65,24.781 102.324,24.781 98.988,21.445 98.988,13.845 ; 98.273,30.484 98.273,41.037 99.05,41.813 99.05,44.387 98.125,45.312 98.125,50.363 99.887,52.125 102.435,52.125 104.042,53.732 104.042,55.193 102.918,56.317 101.269,56.317 99.092,58.495 99.092,66.594 98.825,66.862 98.825,69.34 99.267,69.782 99.267,72.384 98.901,72.75 98.901,76.892 105.411,83.402 105.665,83.402 105.902,83.638 105.902,83.965 106.934,84.997 107.261,84.997 107.498,85.235 107.498,85.562 107.735,85.798 108.062,85.798 108.298,86.035 108.298,86.362 108.535,86.598 108.862,86.598 109.898,87.635 109.898,87.962 110.135,88.198 110.462,88.198 111.263,89 127.5,89 v1(127.9,88.6)
FPGAI_TDIG: J5G.10 R5G.1 U6G.1 | length 82.4
  TOP w0.1: R5G.1@127,59.655 127.455,59.655 v1(127.9,60.1) ; v1@127.955,60.1 v1(127.9,60.1) ; U6G.1@128.4,60.875 128.4,60.6 v1(127.9,60.1)
  S5(V) w0.1: 99.075,30.775 99.078,30.772 100.072,29.778 101.91,29.778 104.092,27.596 104.092,27.566 ; 99.078,30.788 99.078,36.712 101.103,38.737 101.103,43.738 99.178,45.663 99.178,49.937 100.388,51.147 102.538,51.147 104.827,53.436 104.827,55.489 104.806,55.509 104.806,55.581 105.102,55.877 105.102,60.252 105.35,60.5 109.337,60.5 109.338,60.498 127.502,60.498 v1(127.9,60.1) ; 99.756,13.527 99.756,21.127 102.642,24.013 102.971,24.013 104.092,25.134 104.092,27.543
FPGAI_TDIH: J5H.10 R5H.1 U6H.1 | length 43.1
  TOP w0.1: R5H.1@127,31.155 127.455,31.155 v1(127.9,31.6) ; v1@127.955,31.6 v1(127.9,31.6) ; U6H.1@128.4,32.375 128.4,32.1 v1(127.9,31.6)
  S5(V) w0.1: 100.569,13.191 100.569,20.79 102.981,23.202 103.25,23.202 103.414,23.366 103.549,23.366 105.1,24.917 105.1,25.033 105.102,25.035 105.102,25.627 105.45,25.975 105.45,25.98 105.902,26.432 105.902,26.965 106.135,27.198 107.262,27.198 107.502,27.438 107.502,27.765 107.735,27.998 112.43,27.998 113.227,27.202 122.802,27.202 126.802,31.202 127.265,31.202 127.663,31.6 v1(127.9,31.6)
FPGAI_TDOA: J5A.8 R122A.2 | length 146.6
  TOP w0.1: R122A.2@94.655,116.3 v1@94.655,117.055
  S5(V) w0.1: 65.014,14.742 65.014,22.598 65.125,22.709 66.333,23.917 66.444,24.028 67.956,24.028 68.641,24.713 68.643,24.713 68.995,25.064 68.995,26.436 68.643,26.787 68.568,26.787 67.908,27.447 66.569,27.447 66.458,27.558 64.683,29.333 64.397,29.619 64.397,51.082 64.683,51.367 65.594,52.278 68.419,52.278 69.547,53.406 69.547,54.644 68.519,55.672 65.719,55.672 64.947,56.444 64.947,77.249 64.947,77.706 69.709,82.469 69.709,83.608 68.995,84.322 68.294,84.322 65.047,87.569 65.047,97.657 65.764,98.373 65.764,107.047 69.289,110.572 69.289,114.652 69.735,115.098 70.062,115.098 70.298,115.335 70.298,115.662 70.537,115.9 85.75,115.9 86.1,116.25 87.65,116.25 88,115.9 94.063,115.9 94.298,116.135 94.298,116.698 v1(94.7,117.1)
FPGAI_TDOB: J5B.8 R122B.2 | length 105.7
  TOP w0.1: R122B.2@94.655,87.8 v1@94.655,88.555
  S5(V) w0.1: 65.814,14.473 65.814,22.198 65.925,22.309 66.751,23.135 66.862,23.246 68.243,23.246 68.954,23.957 68.956,23.957 69.779,24.78 69.779,26.72 68.956,27.543 68.881,27.543 68.209,28.215 67.151,28.215 67.04,28.325 65.175,30.191 65.175,36.809 67.372,39.006 67.372,40.994 65.422,42.944 65.422,50.856 66.044,51.478 68.769,51.478 70.322,53.031 70.322,55.02 70.075,55.267 70.075,56.1 70.473,56.498 76.427,56.498 76.428,56.5 77.7,56.5 80.25,59.05 84.334,59.05 86.709,61.425 89.783,61.425 91.156,62.798 94.048,62.798 94.302,63.052 94.302,88.202 v1(94.7,88.6)
FPGAI_TDOC: J5C.8 R122C.2 | length 75.3
  TOP w0.1: R122C.2@94.655,59.3 v1@94.655,60.055
  S5(V) w0.1: 65.372,12.814 66.212,12.814 66.578,13.18 66.578,20.513 69.267,23.202 69.269,23.202 70.535,24.467 70.535,27.033 68.814,28.754 68.814,31.314 69.502,32.002 90.765,32.002 91.698,32.935 91.698,33.473 92.7,34.475 92.7,38.875 92.702,38.877 92.702,38.965 93.313,39.576 93.313,41.724 92.7,42.337 92.7,57.863 92.935,58.098 93.262,58.098 93.498,58.335 94.298,59.135 94.298,59.165 94.7,59.567 v1(94.7,60.1)